# Altium PCB 全兼容主控.PCBDOC (part 5 of 9)
Units mil, origin at the board's own origin, x right, y up, seen from the top; angles counter-clockwise.
Board outline 7562.36 x 15046.55 mil, 2 copper layers (TopLayer, BottomLayer); 375 components, 257 nets, 1094 pads, 839 vias.
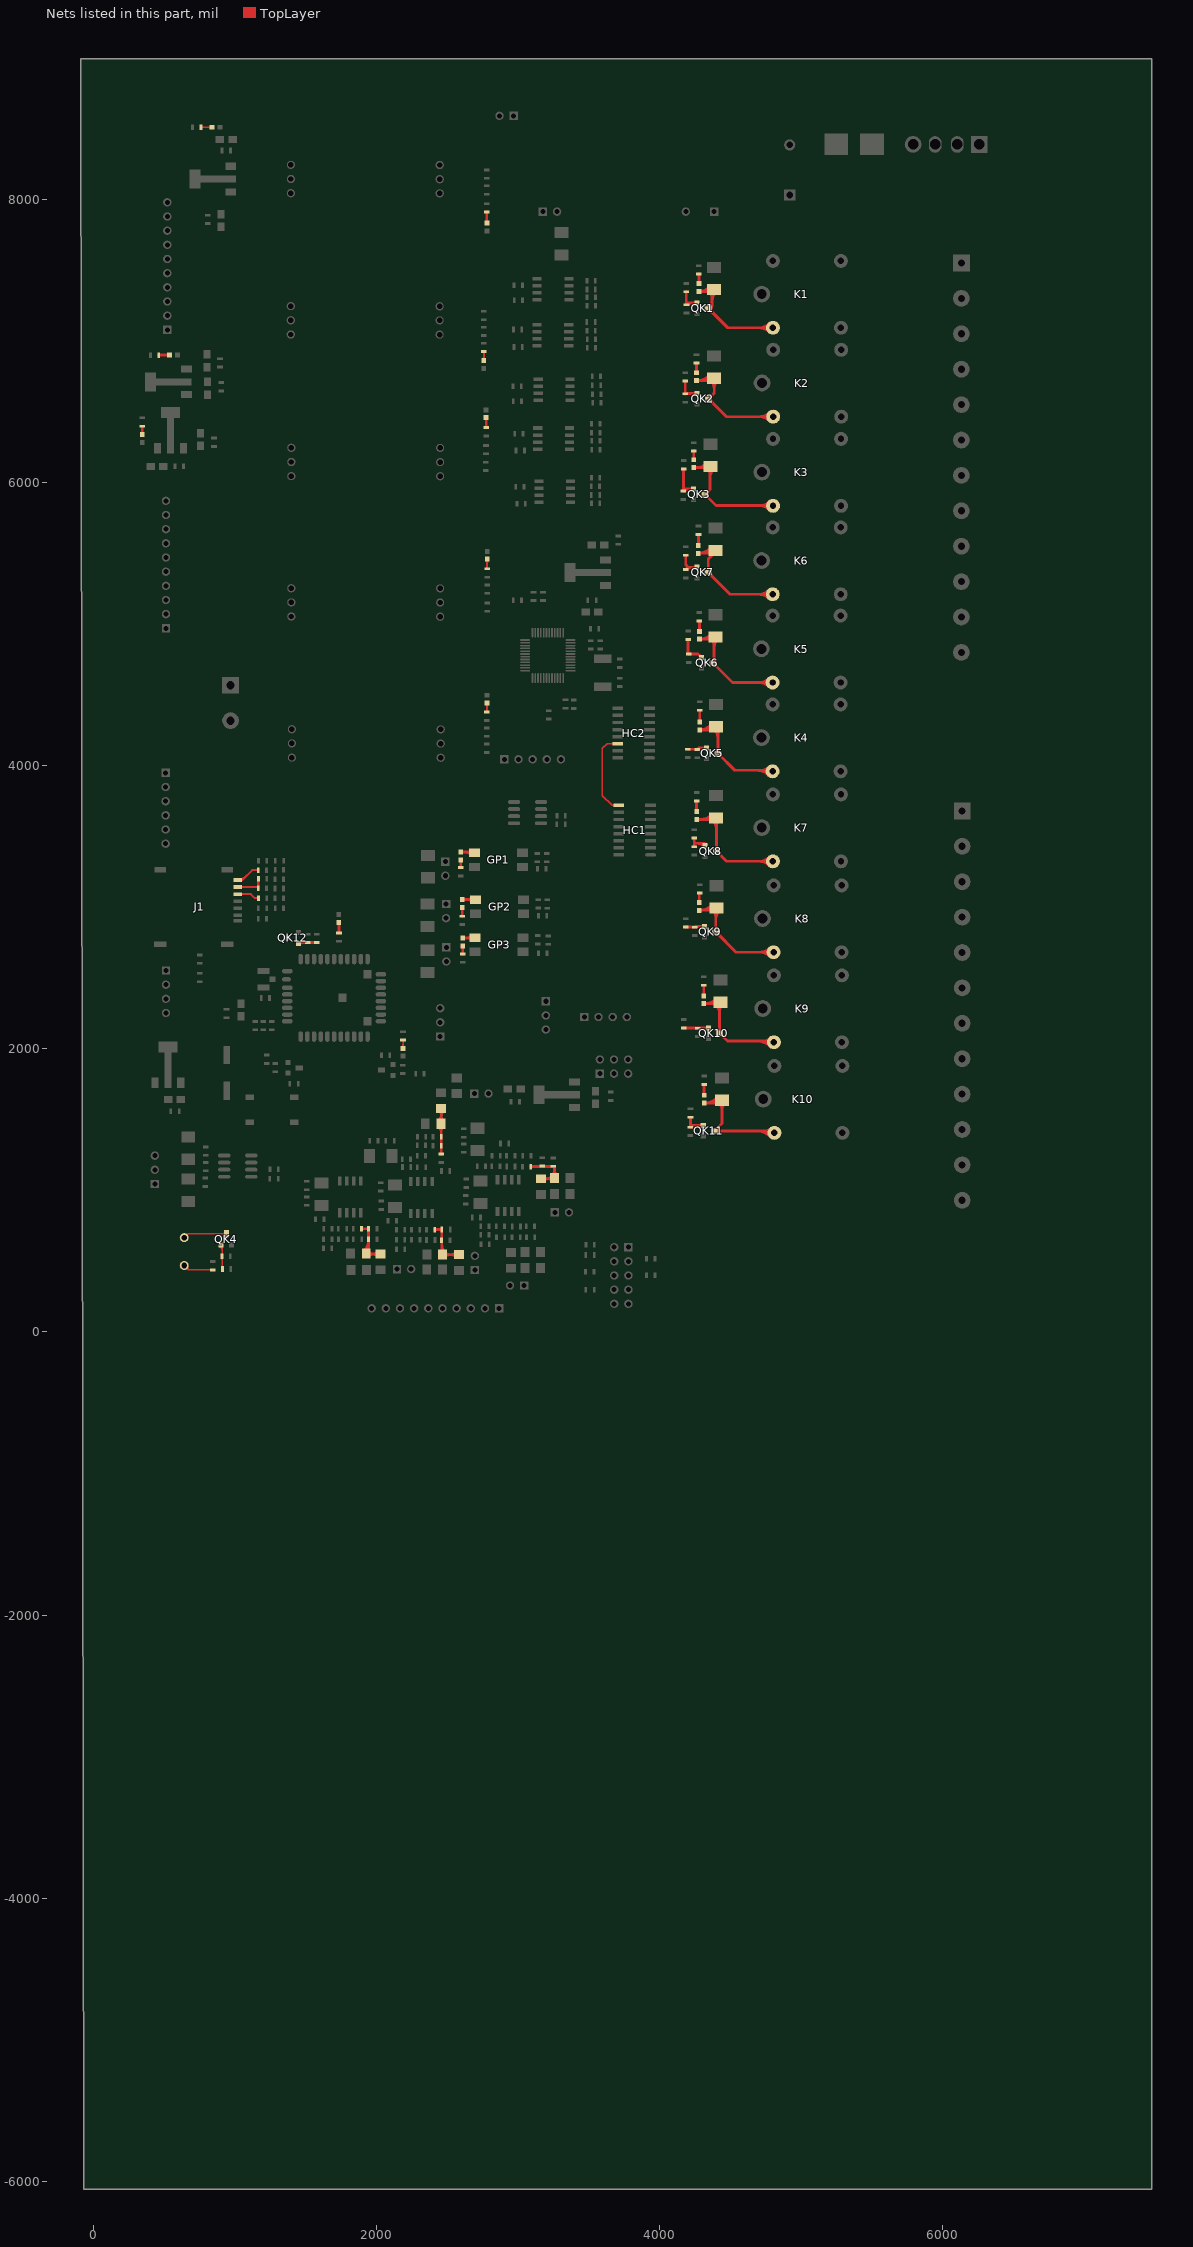
[diagram p5: the nets of this part, all layers, seen from the top]

## Via types
v1: diameter 30, hole 20, TopLayer to BottomLayer, 758 vias
v2: diameter 25, hole 15, TopLayer to BottomLayer, 81 vias

## Nets (pads, with @x,y where several pads share a name; then routed paths per layer and width w, separated by ;. In a path a pad name is that pad's centre, name@x,y a point inside that pad or via, vN(x,y) a via of type N, cw(c..) or ccw(c..) an arc to the next point about the centre after c; other vN are vias at no path point) (continued)
NetCY2_2: CY2.2 LX2.1 RE3.2 RQ2.1 RT2.2 | length 1076.8
  TopLayer w20: RT2.2@3090.79,1167.09 3248.14,1167.09 RQ2.1@3250.04,1169 3257.62,1161.43 CY2.2@3257.62,1087.33 3251.58,1081.29 LX2.1@3161.84,1081.29 ; LX2.1@3180.98,1066.09 cw(c3217.67,1029.4) 3217.67,1081.29 ; LX2.1@3180.98,1066.09 cw(c3217.67,1029.4) 3217.67,1081.29 ; LX2.1@3180.98,1066.09 cw(c3217.67,1029.4) 3217.67,1081.29 ; LX2.1@3180.98,1096.49 ccw(c3217.67,1133.19) 3217.67,1081.29 ; LX2.1@3180.98,1096.49 ccw(c3217.67,1133.19) 3217.67,1081.29 ; LX2.1@3180.98,1096.49 ccw(c3217.67,1133.19) 3217.67,1081.29 ; 3200.65,1081.29 ccw(c3200.65,1140.36) CY2.2@3242.42,1098.59 ; 3200.65,1081.29 ccw(c3200.65,1140.36) CY2.2@3242.42,1098.59 ; 3200.65,1081.29 ccw(c3200.65,1140.36) CY2.2@3242.42,1098.59 ; 3210.79,1081.29 cw(c3210.79,1036.57) CY2.2@3242.42,1068.19 ; 3210.79,1081.29 cw(c3210.79,1036.57) CY2.2@3242.42,1068.19 ; 3210.79,1081.29 cw(c3210.79,1036.57) CY2.2@3242.42,1068.19 ; CY2.2@3242.42,1106.47 ccw(c3205.72,1143.16) 3257.62,1143.16 ; CY2.2@3242.42,1106.47 ccw(c3205.72,1143.16) 3257.62,1143.16 ; CY2.2@3242.42,1106.47 ccw(c3205.72,1143.16) 3257.62,1143.16 ; 3257.62,1143.16 ccw(c3309.51,1143.16) CY2.2@3272.82,1106.47 ; 3257.62,1143.16 ccw(c3309.51,1143.16) CY2.2@3272.82,1106.47 ; 3257.62,1143.16 ccw(c3309.51,1143.16) CY2.2@3272.82,1106.47
NetCY3_2: CY3.2 LX3.1 RE5.2 RQ3.1 RT3.2 | length 1078.7
  TopLayer w20: RT3.2@2412.82,722.33 2413.13,722.65 RQ3.1@2461.94,722.65 2461.94,550.07 CY3.2@2467.18,544.83 2467.33,544.97 LX3.1@2582.9,544.97 ; CY3.2@2451.98,563.96 ccw(c2427.95,588) 2461.94,588 ; CY3.2@2451.98,563.96 ccw(c2427.95,588) 2461.94,588 ; CY3.2@2451.98,563.96 ccw(c2427.95,588) 2461.94,588 ; 2461.94,613.32 ccw(c2531.74,613.32) CY3.2@2482.38,563.96 ; 2461.94,613.32 ccw(c2531.74,613.32) CY3.2@2482.38,563.96 ; 2461.94,613.32 ccw(c2531.74,613.32) CY3.2@2482.38,563.96 ; CY3.2@2482.38,529.63 cw(c2519.43,492.58) 2519.43,544.97 ; CY3.2@2482.38,529.63 cw(c2519.43,492.58) 2519.43,544.97 ; CY3.2@2482.38,529.63 cw(c2519.43,492.58) 2519.43,544.97 ; CY3.2@2482.38,560.03 ccw(c2518.73,596.37) 2518.73,544.97 ; CY3.2@2482.38,560.03 ccw(c2518.73,596.37) 2518.73,544.97 ; CY3.2@2482.38,560.03 ccw(c2518.73,596.37) 2518.73,544.97 ; 2527.07,544.97 cw(c2527.07,493.08) LX3.1@2563.77,529.77 ; 2527.07,544.97 ccw(c2527.07,596.87) LX3.1@2563.77,560.17 ; 2527.07,544.97 cw(c2527.07,493.08) LX3.1@2563.77,529.77 ; 2527.07,544.97 ccw(c2527.07,596.87) LX3.1@2563.77,560.17 ; 2527.07,544.97 cw(c2527.07,493.08) LX3.1@2563.77,529.77 ; 2527.07,544.97 ccw(c2527.07,596.87) LX3.1@2563.77,560.17
NetCY4_2: CY4.2 LX4.1 RE7.2 RQ4.1 RT4.2 | length 1065.4
  TopLayer w20: RT4.2@2458.58,1256.02 2458.58,1580.71 LX4.1@2463.54,1585.67 ; CY4.2@2440.23,1450.66 cw(c2395.92,1406.35) 2458.58,1406.35 ; CY4.2@2440.23,1450.66 cw(c2395.92,1406.35) 2458.58,1406.35 ; CY4.2@2440.23,1450.66 cw(c2395.92,1406.35) 2458.58,1406.35 ; CY4.2@2440.23,1488.93 ccw(c2395.92,1533.23) 2458.58,1533.23 ; CY4.2@2440.23,1488.93 ccw(c2395.92,1533.23) 2458.58,1533.23 ; CY4.2@2440.23,1488.93 ccw(c2395.92,1533.23) 2458.58,1533.23 ; LX4.1@2445,1563.02 cw(c2412.2,1530.23) 2458.58,1530.23 ; LX4.1@2445,1563.02 cw(c2412.2,1530.23) 2458.58,1530.23 ; LX4.1@2445,1563.02 cw(c2412.2,1530.23) 2458.58,1530.23 ; 2458.58,1421.57 cw(c2499.71,1421.57) CY4.2@2470.63,1450.66 ; 2458.58,1421.57 cw(c2499.71,1421.57) CY4.2@2470.63,1450.66 ; 2458.58,1421.57 cw(c2499.71,1421.57) CY4.2@2470.63,1450.66 ; 2458.58,1518.02 ccw(c2499.71,1518.02) CY4.2@2470.63,1488.93 ; 2458.58,1518.02 ccw(c2499.71,1518.02) CY4.2@2470.63,1488.93 ; 2458.58,1518.02 ccw(c2499.71,1518.02) CY4.2@2470.63,1488.93 ; 2458.58,1522.43 cw(c2515.99,1522.43) LX4.1@2475.4,1563.02 ; 2458.58,1522.43 cw(c2515.99,1522.43) LX4.1@2475.4,1563.02 ; 2458.58,1522.43 cw(c2515.99,1522.43) LX4.1@2475.4,1563.02
NetCY5_2: CY5.2 LX5.1 RE9.2 RQ5.1 RT5.2 | length 1211.3
  TopLayer w20: RT5.2@1895.57,728.61 1896.39,727.78 RQ5.1@1944.62,727.78 1944.73,727.67 1944.73,569.42 CY5.2@1928.61,553.31 1933.06,548.86 LX5.1@2028.24,548.86 ; CY5.2@1913.41,572.44 ccw(c1837.81,648.05) RE9.2@1944.73,648.05 ; CY5.2@1913.41,572.44 ccw(c1837.81,648.05) RE9.2@1944.73,648.05 ; CY5.2@1913.41,572.44 ccw(c1837.81,648.05) RE9.2@1944.73,648.05 ; CY5.2@1927.56,558.3 ccw(c1886.09,599.76) 1944.73,599.76 ; CY5.2@1927.56,558.3 ccw(c1886.09,599.76) 1944.73,599.76 ; CY5.2@1927.56,558.3 ccw(c1886.09,599.76) 1944.73,599.76 ; CY5.2@1943.81,534.17 cw(c1979.28,498.7) 1979.28,548.86 ; CY5.2@1943.81,534.17 cw(c1979.28,498.7) 1979.28,548.86 ; CY5.2@1943.81,534.17 cw(c1979.28,498.7) 1979.28,548.86 ; CY5.2@1943.81,564.57 ccw(c1981.74,602.49) 1981.74,548.86 ; CY5.2@1943.81,564.57 ccw(c1981.74,602.49) 1981.74,548.86 ; CY5.2@1943.81,564.57 ccw(c1981.74,602.49) 1981.74,548.86 ; 1972.4,548.86 cw(c1972.4,496.96) LX5.1@2009.1,533.66 ; 1972.4,548.86 ccw(c1972.4,600.75) LX5.1@2009.1,564.06 ; 1972.4,548.86 cw(c1972.4,496.96) LX5.1@2009.1,533.66 ; 1972.4,548.86 ccw(c1972.4,600.75) LX5.1@2009.1,564.06 ; 1972.4,548.86 cw(c1972.4,496.96) LX5.1@2009.1,533.66 ; 1972.4,548.86 ccw(c1972.4,600.75) LX5.1@2009.1,564.06
NetD6_1: D6.1 R6.1 | length 121.2
  TopLayer w20: D6.1@1734.72,2892.16 1735.85,2891.04 R6.1@1735.85,2817.45 ; D6.1@1730.13,2886.56 cw(c1716.32,2872.75) 1735.85,2872.75 ; D6.1@1730.13,2886.56 cw(c1716.32,2872.75) 1735.85,2872.75 ; D6.1@1730.13,2886.56 cw(c1716.32,2872.75) 1735.85,2872.75
NetD7_1: D7.1 RR1.1 | length 244.9
  TopLayer w10: D7.1@2188.12,2002.13 RR1.1@2188.12,2061.15 ; D7.1@2179.99,2011.26 ccw(c2160.36,2030.89) 2188.12,2030.89 ; D7.1@2179.99,2011.26 ccw(c2160.36,2030.89) 2188.12,2030.89 ; D7.1@2179.99,2011.26 ccw(c2160.36,2030.89) 2188.12,2030.89 ; RR1.1@2184.7,2057.72 cw(c2176.43,2049.45) 2188.12,2049.45 ; RR1.1@2184.7,2057.72 cw(c2176.43,2049.45) 2188.12,2049.45 ; RR1.1@2184.7,2057.72 cw(c2176.43,2049.45) 2188.12,2049.45 ; 2188.12,2030.89 ccw(c2215.89,2030.89) D7.1@2196.25,2011.26 ; 2188.12,2030.89 ccw(c2215.89,2030.89) D7.1@2196.25,2011.26 ; 2188.12,2030.89 ccw(c2215.89,2030.89) D7.1@2196.25,2011.26 ; 2188.12,2049.45 cw(c2199.81,2049.45) RR1.1@2191.55,2057.72 ; 2188.12,2049.45 cw(c2199.81,2049.45) RR1.1@2191.55,2057.72 ; 2188.12,2049.45 cw(c2199.81,2049.45) RR1.1@2191.55,2057.72
NetDE1_1: DE1.1 RG1.2 | length 54.3
  TopLayer w20: RG1.2@2596.26,3279.44 DE1.1@2596.26,3333.71
NetDE1_2: DE1.2 GP1.1 | length 337.8
  TopLayer w20: DE1.2@2596.23,3388.74 2694.15,3388.74 GP1.1@2706.69,3376.2 ; 2622.63,3388.74 cw(c2622.63,3323.23) GP1.1@2668.95,3369.55 ; 2622.63,3388.74 cw(c2622.63,3323.23) GP1.1@2668.95,3369.55 ; 2622.63,3388.74 cw(c2622.63,3323.23) GP1.1@2668.95,3369.55 ; 2648.61,3388.74 ccw(c2648.61,3417.51) GP1.1@2668.95,3397.17 ; 2648.61,3388.74 ccw(c2648.61,3417.51) GP1.1@2668.95,3397.17 ; 2648.61,3388.74 ccw(c2648.61,3417.51) GP1.1@2668.95,3397.17
NetDE2_1: DE2.1 RG2.2 | length 62.2
  TopLayer w20: DE2.1@2606.33,2997.63 2606.44,2997.52 RG2.2@2606.44,2935.5
NetDE2_2: DE2.2 GP2.1 | length 319.1
  TopLayer w20: DE2.2@2606.33,3052.63 GP2.1@2703.32,3052.63 ; 2642.97,3052.63 cw(c2642.97,3004.56) GP2.1@2676.95,3038.55 ; 2642.97,3052.63 cw(c2642.97,3004.56) GP2.1@2676.95,3038.55 ; 2642.97,3052.63 cw(c2642.97,3004.56) GP2.1@2676.95,3038.55 ; 2644.27,3052.63 ccw(c2644.27,3098.85) GP2.1@2676.95,3066.17 ; 2644.27,3052.63 ccw(c2644.27,3098.85) GP2.1@2676.95,3066.17 ; 2644.27,3052.63 ccw(c2644.27,3098.85) GP2.1@2676.95,3066.17
NetDE3_1: DE3.1 RG3.2 | length 103.1
  TopLayer w20: DE3.1@2609.02,2726.52 2610.01,2725.52 RG3.2@2610.01,2668.8 ; DE3.1@2604.42,2720.92 cw(c2590.93,2707.43) 2610.01,2707.43 ; DE3.1@2604.42,2720.92 cw(c2590.93,2707.43) 2610.01,2707.43 ; DE3.1@2604.42,2720.92 cw(c2590.93,2707.43) 2610.01,2707.43
NetDE3_2: DE3.2 GP3.1 | length 307
  TopLayer w20: DE3.2@2609.02,2781.52 GP3.1@2693.87,2781.52 ; 2632.81,2781.52 ccw(c2632.81,2838.49) GP3.1@2673.09,2798.2 ; 2632.81,2781.52 ccw(c2632.81,2838.49) GP3.1@2673.09,2798.2 ; 2632.81,2781.52 ccw(c2632.81,2838.49) GP3.1@2673.09,2798.2 ; 2646.71,2781.52 cw(c2646.71,2744.2) GP3.1@2673.09,2770.59 ; 2646.71,2781.52 cw(c2646.71,2744.2) GP3.1@2673.09,2770.59 ; 2646.71,2781.52 cw(c2646.71,2744.2) GP3.1@2673.09,2770.59
NetDJ1_1: DJ1.1 DL3.2 K1.5 QK1.1 | length 2453.6
  TopLayer w20: DJ1.1@4358.87,7352.42 4354.75,7348.3 DL3.2@4278.68,7348.3 ; DJ1.1@4370.74,7359.54 4370.74,7256.46 QK1.1@4343.76,7229.48 4481.73,7091.5 K1.5@4800.54,7091.5 ; DL3.2@4278.68,7348.3 ccw(c4278.68,7451.86) DJ1.1@4353.95,7380.73 ; DL3.2@4278.68,7348.3 ccw(c4278.68,7451.86) DJ1.1@4353.95,7380.73 ; DL3.2@4278.68,7348.3 ccw(c4278.68,7451.86) DJ1.1@4353.95,7380.73 ; 4325.11,7348.3 ccw(c4325.11,7407.98) DJ1.1@4368.48,7366.99 ; 4325.11,7348.3 ccw(c4325.11,7407.98) DJ1.1@4368.48,7366.99 ; 4325.11,7348.3 ccw(c4325.11,7407.98) DJ1.1@4368.48,7366.99 ; 4333.96,7348.3 cw(c4333.96,7319.22) DJ1.1@4354.52,7339.78 ; 4333.96,7348.3 cw(c4333.96,7319.22) DJ1.1@4354.52,7339.78 ; 4333.96,7348.3 cw(c4333.96,7319.22) DJ1.1@4354.52,7339.78 ; QK1.1@4345.1,7235.13 ccw(c4283.21,7297.03) 4370.74,7297.03 ; QK1.1@4345.1,7235.13 ccw(c4283.21,7297.03) 4370.74,7297.03 ; QK1.1@4345.1,7235.13 ccw(c4283.21,7297.03) 4370.74,7297.03 ; DJ1.1@4354.52,7339.78 cw(c4315.38,7300.64) 4370.74,7300.64 ; DJ1.1@4354.52,7339.78 cw(c4315.38,7300.64) 4370.74,7300.64 ; DJ1.1@4354.52,7339.78 cw(c4315.38,7300.64) 4370.74,7300.64 ; QK1.1@4358.76,7229.48 ccw(c4394.97,7229.48) 4369.36,7203.87 ; QK1.1@4358.76,7229.48 cw(c4394.97,7229.48) 4369.36,7255.08 ; QK1.1@4358.76,7229.48 ccw(c4394.97,7229.48) 4369.36,7203.87 ; QK1.1@4358.76,7229.48 cw(c4394.97,7229.48) 4369.36,7255.08 ; QK1.1@4358.76,7229.48 ccw(c4394.97,7229.48) 4369.36,7203.87 ; QK1.1@4358.76,7229.48 cw(c4394.97,7229.48) 4369.36,7255.08 ; QK1.1@4359.24,7220.99 ccw(c4331.49,7248.74) 4370.74,7248.74 ; QK1.1@4359.24,7220.99 ccw(c4331.49,7248.74) 4370.74,7248.74 ; QK1.1@4359.24,7220.99 ccw(c4331.49,7248.74) 4370.74,7248.74 ; 4370.74,7278.65 cw(c4457.19,7278.65) DJ1.1@4396.06,7339.78 ; 4370.74,7278.65 cw(c4457.19,7278.65) DJ1.1@4396.06,7339.78 ; 4370.74,7278.65 cw(c4457.19,7278.65) DJ1.1@4396.06,7339.78 ; 4705.88,7091.5 cw(c4705.88,6996.83) K1.5@4772.82,7063.77 ; 4705.88,7091.5 ccw(c4705.88,7186.17) K1.5@4772.82,7119.23 ; 4705.88,7091.5 cw(c4705.88,6996.83) K1.5@4772.82,7063.77 ; 4705.88,7091.5 ccw(c4705.88,7186.17) K1.5@4772.82,7119.23 ; 4705.88,7091.5 cw(c4705.88,6996.83) K1.5@4772.82,7063.77 ; 4705.88,7091.5 ccw(c4705.88,7186.17) K1.5@4772.82,7119.23
NetDJ2_1: DJ2.1 DL4.2 K2.5 QK2.1 | length 2234.2
  TopLayer w20: DL4.2@4261.37,6718.88 4387.02,6718.88 DJ2.1@4392.98,6724.84 ; DJ2.1@4385.73,6734.91 4385.73,6630.6 QK2.1@4345.35,6590.22 4472.07,6463.5 K2.5@4802.4,6463.5 ; DL4.2@4266.28,6718.88 ccw(c4266.28,6844.52) DJ2.1@4355.12,6755.68 ; DL4.2@4266.28,6718.88 ccw(c4266.28,6844.52) DJ2.1@4355.12,6755.68 ; DL4.2@4266.28,6718.88 ccw(c4266.28,6844.52) DJ2.1@4355.12,6755.68 ; 4314.57,6718.88 ccw(c4314.57,6796.23) DJ2.1@4369.26,6741.54 ; 4314.57,6718.88 ccw(c4314.57,6796.23) DJ2.1@4369.26,6741.54 ; 4314.57,6718.88 ccw(c4314.57,6796.23) DJ2.1@4369.26,6741.54 ; QK2.1@4360.35,6590.22 cw(c4396.57,6590.22) 4370.96,6615.82 ; QK2.1@4360.35,6590.22 ccw(c4396.57,6590.22) 4370.96,6564.61 ; QK2.1@4360.35,6590.22 cw(c4396.57,6590.22) 4370.96,6615.82 ; QK2.1@4360.35,6590.22 ccw(c4396.57,6590.22) 4370.96,6564.61 ; QK2.1@4360.35,6590.22 ccw(c4396.57,6590.22) 4370.96,6564.61 ; QK2.1@4360.35,6590.22 cw(c4396.57,6590.22) 4370.96,6615.82 ; DJ2.1@4364.97,6714.14 cw(c4314.83,6664) 4385.73,6664 ; DJ2.1@4364.97,6714.14 cw(c4314.83,6664) 4385.73,6664 ; DJ2.1@4364.97,6714.14 cw(c4314.83,6664) 4385.73,6664 ; 4385.73,6664 cw(c4456.64,6664) DJ2.1@4406.5,6714.14 ; 4385.73,6664 cw(c4456.64,6664) DJ2.1@4406.5,6714.14 ; 4385.73,6664 cw(c4456.64,6664) DJ2.1@4406.5,6714.14 ; 4707.73,6463.5 cw(c4707.73,6368.83) K2.5@4774.67,6435.77 ; 4707.73,6463.5 ccw(c4707.73,6558.17) K2.5@4774.67,6491.23 ; 4707.73,6463.5 cw(c4707.73,6368.83) K2.5@4774.67,6435.77 ; 4707.73,6463.5 ccw(c4707.73,6558.17) K2.5@4774.67,6491.23 ; 4707.73,6463.5 cw(c4707.73,6368.83) K2.5@4774.67,6435.77 ; 4707.73,6463.5 ccw(c4707.73,6558.17) K2.5@4774.67,6491.23
NetDJ3_1: DJ3.1 DL5.2 K3.5 QK3.1 | length 2383.2
  TopLayer w20: DL5.2@4240.94,6104.44 4331.11,6104.44 4334.01,6101.54 DJ3.1@4356.25,6101.54 ; DJ3.1@4356.25,6121.88 4356.25,5951.34 QK3.1@4319.79,5914.87 4398.54,5836.12 4809.56,5836.12 K3.5@4810.49,5837.05 ; 4263.26,6104.44 ccw(c4263.26,6199.4) DJ3.1@4330.4,6132.25 ; 4263.26,6104.44 ccw(c4263.26,6199.4) DJ3.1@4330.4,6132.25 ; 4263.26,6104.44 ccw(c4263.26,6199.4) DJ3.1@4330.4,6132.25 ; 4297.27,6104.44 cw(c4297.27,6057.59) DJ3.1@4330.4,6090.72 ; 4297.27,6104.44 cw(c4297.27,6057.59) DJ3.1@4330.4,6090.72 ; 4297.27,6104.44 cw(c4297.27,6057.59) DJ3.1@4330.4,6090.72 ; 4311.54,6104.44 ccw(c4311.54,6151.11) DJ3.1@4344.55,6118.11 ; 4311.54,6104.44 ccw(c4311.54,6151.11) DJ3.1@4344.55,6118.11 ; 4311.54,6104.44 ccw(c4311.54,6151.11) DJ3.1@4344.55,6118.11 ; QK3.1@4334.79,5914.87 cw(c4371,5914.87) 4345.39,5940.48 ; QK3.1@4334.79,5914.87 ccw(c4371,5914.87) 4345.39,5889.26 ; QK3.1@4334.79,5914.87 cw(c4371,5914.87) 4345.39,5940.48 ; QK3.1@4334.79,5914.87 ccw(c4371,5914.87) 4345.39,5889.26 ; QK3.1@4334.79,5914.87 cw(c4371,5914.87) 4345.39,5940.48 ; QK3.1@4334.79,5914.87 ccw(c4371,5914.87) 4345.39,5889.26 ; DJ3.1@4340.25,6090.72 cw(c4301.61,6052.07) 4356.25,6052.07 ; DJ3.1@4340.25,6090.72 cw(c4301.61,6052.07) 4356.25,6052.07 ; DJ3.1@4340.25,6090.72 cw(c4301.61,6052.07) 4356.25,6052.07 ; 4356.25,6029.08 cw(c4443.42,6029.08) DJ3.1@4381.78,6090.72 ; 4356.25,6029.08 cw(c4443.42,6029.08) DJ3.1@4381.78,6090.72 ; 4356.25,6029.08 cw(c4443.42,6029.08) DJ3.1@4381.78,6090.72 ; 4701.84,5836.11 cw(c4701.84,5734.4) K3.5@4773.76,5806.32 ; 4701.84,5836.11 cw(c4701.84,5734.4) K3.5@4773.76,5806.32 ; 4701.84,5836.11 cw(c4701.84,5734.4) K3.5@4773.76,5806.32 ; 4711.8,5836.11 ccw(c4711.8,5923.74) K3.5@4773.76,5861.78 ; 4711.8,5836.11 ccw(c4711.8,5923.74) K3.5@4773.76,5861.78 ; 4711.8,5836.11 ccw(c4711.8,5923.74) K3.5@4773.76,5861.78 ; 4750.12,5836.12 cw(c4750.12,5782.69) K3.5@4787.9,5820.47 ; 4750.12,5836.12 cw(c4750.12,5782.69) K3.5@4787.9,5820.47 ; 4750.12,5836.12 cw(c4750.12,5782.69) K3.5@4787.9,5820.47
NetDJ4_1: DJ4.1 DL7.2 K4.5 QK5.1 | length 2364.5
  TopLayer w20: DJ4.1@4398,4273.15 4411.79,4259.36 QK5.1@4411.79,4084.97 4530.55,3966.21 4803.69,3966.21 K4.5@4804.27,3966.79 ; DJ4.1@4411.52,4244.71 4405.01,4251.22 DL7.2@4284.03,4251.22 ; DL7.2@4284.03,4251.22 ccw(c4284.04,4353.17) DJ4.1@4364.87,4291.05 ; DL7.2@4284.03,4251.22 ccw(c4284.04,4353.17) DJ4.1@4364.87,4291.05 ; DL7.2@4284.03,4251.22 ccw(c4284.04,4353.17) DJ4.1@4364.87,4291.05 ; 4324.63,4251.22 ccw(c4324.63,4321.97) DJ4.1@4380.73,4278.86 ; 4324.63,4251.22 ccw(c4324.63,4321.97) DJ4.1@4380.73,4278.86 ; 4324.63,4251.22 ccw(c4324.63,4321.97) DJ4.1@4380.73,4278.86 ; DJ4.1@4387.07,4252.38 cw(c4327.4,4192.71) 4411.79,4192.71 ; DJ4.1@4387.07,4252.38 cw(c4327.4,4192.71) 4411.79,4192.71 ; DJ4.1@4387.07,4252.38 cw(c4327.4,4192.71) 4411.79,4192.71 ; QK5.1@4406.14,4090.63 ccw(c4392.48,4104.28) 4411.79,4104.28 ; QK5.1@4406.14,4090.63 ccw(c4392.48,4104.28) 4411.79,4104.28 ; QK5.1@4406.14,4090.63 ccw(c4392.48,4104.28) 4411.79,4104.28 ; 4411.79,4104.28 ccw(c4431.11,4104.28) QK5.1@4417.45,4090.63 ; 4411.79,4104.28 ccw(c4431.11,4104.28) QK5.1@4417.45,4090.63 ; 4411.79,4104.28 ccw(c4431.11,4104.28) QK5.1@4417.45,4090.63 ; 4411.79,4211.78 cw(c4469.21,4211.78) DJ4.1@4428.61,4252.38 ; 4411.79,4211.78 cw(c4469.21,4211.78) DJ4.1@4428.61,4252.38 ; 4411.79,4211.78 cw(c4469.21,4211.78) DJ4.1@4428.61,4252.38 ; QK5.1@4426.79,4084.97 ccw(c4463.01,4084.97) 4437.4,4059.36 ; QK5.1@4426.79,4084.97 ccw(c4463.01,4084.97) 4437.4,4059.36 ; QK5.1@4426.79,4084.97 ccw(c4463.01,4084.97) 4437.4,4059.36 ; 4686.34,3966.21 cw(c4686.34,3846.78) K4.5@4770.79,3931.23 ; 4686.34,3966.21 cw(c4686.34,3846.78) K4.5@4770.79,3931.23 ; 4686.34,3966.21 cw(c4686.34,3846.78) K4.5@4770.79,3931.23 ; 4721.36,3966.21 ccw(c4721.36,4036.11) K4.5@4770.79,3986.68 ; 4721.36,3966.21 ccw(c4721.36,4036.11) K4.5@4770.79,3986.68 ; 4721.36,3966.21 ccw(c4721.36,4036.11) K4.5@4770.79,3986.68 ; 4734.62,3966.21 cw(c4734.62,3895.06) K4.5@4784.93,3945.37 ; 4734.62,3966.21 cw(c4734.62,3895.06) K4.5@4784.93,3945.37 ; 4734.62,3966.21 cw(c4734.62,3895.06) K4.5@4784.93,3945.37
NetDJ5_1: DJ5.1 DL8.2 K5.5 QK6.1 | length 2220.6
  TopLayer w20: DL8.2@4281.39,4891.96 DJ5.1@4416.24,4891.96 ; DJ5.1@4384.89,4917.63 4384.89,4731.69 QK6.1@4377.38,4724.17 4515.57,4585.97 K5.5@4798.13,4585.97 ; DL8.2@4281.39,4891.96 ccw(c4281.4,5008.31) DJ5.1@4365.42,4927.82 ; DL8.2@4281.39,4891.96 ccw(c4281.4,5008.31) DJ5.1@4365.42,4927.82 ; DL8.2@4281.39,4891.96 ccw(c4281.4,5008.31) DJ5.1@4365.42,4927.82 ; 4328.25,4891.96 ccw(c4328.25,4963.42) DJ5.1@4379.86,4913.99 ; 4328.25,4891.96 ccw(c4328.25,4963.42) DJ5.1@4379.86,4913.99 ; 4328.25,4891.96 ccw(c4328.25,4963.42) DJ5.1@4379.86,4913.99 ; DJ5.1@4365.86,4886.74 cw(c4319.9,4840.78) 4384.89,4840.78 ; DJ5.1@4365.86,4886.74 cw(c4319.9,4840.78) 4384.89,4840.78 ; DJ5.1@4365.86,4886.74 cw(c4319.9,4840.78) 4384.89,4840.78 ; QK6.1@4378.72,4729.83 ccw(c4363.81,4744.73) 4384.89,4744.73 ; QK6.1@4378.72,4729.83 ccw(c4363.81,4744.73) 4384.89,4744.73 ; QK6.1@4378.72,4729.83 ccw(c4363.81,4744.73) 4384.89,4744.73 ; 4384.89,4742.23 ccw(c4402.44,4742.23) QK6.1@4390.03,4729.83 ; 4384.89,4742.23 ccw(c4402.44,4742.23) QK6.1@4390.03,4729.83 ; 4384.89,4742.23 ccw(c4402.44,4742.23) QK6.1@4390.03,4729.83 ; 4384.89,4832.42 cw(c4461.71,4832.42) DJ5.1@4407.39,4886.74 ; 4384.89,4832.42 cw(c4461.71,4832.42) DJ5.1@4407.39,4886.74 ; 4384.89,4832.42 cw(c4461.71,4832.42) DJ5.1@4407.39,4886.74 ; QK6.1@4392.38,4724.17 ccw(c4428.59,4724.17) 4402.98,4698.56 ; QK6.1@4392.38,4724.17 ccw(c4428.59,4724.17) 4402.98,4698.56 ; QK6.1@4392.38,4724.17 ccw(c4428.59,4724.17) 4402.98,4698.56 ; 4703.46,4585.97 cw(c4703.46,4491.3) K5.5@4770.41,4558.25 ; 4703.46,4585.97 ccw(c4703.46,4680.64) K5.5@4770.41,4613.7 ; 4703.46,4585.97 cw(c4703.46,4491.3) K5.5@4770.41,4558.25 ; 4703.46,4585.97 ccw(c4703.46,4680.64) K5.5@4770.41,4613.7 ; 4703.46,4585.97 cw(c4703.46,4491.3) K5.5@4770.41,4558.25 ; 4703.46,4585.97 ccw(c4703.46,4680.64) K5.5@4770.41,4613.7
NetDJ6_1: DJ6.1 DL9.2 K6.5 QK7.1 | length 2091.8
  TopLayer w20: DJ6.1@4383.33,5498.67 DL9.2@4274.32,5498.67 ; DJ6.1@4389.39,5504.73 4344,5459.34 QK7.1@4344,5362.66 4497.27,5209.39 K6.5@4799.13,5209.39 ; DL9.2@4274.32,5498.67 ccw(c4274.32,5616.55) DJ6.1@4362.93,5538.81 ; DL9.2@4274.32,5498.67 ccw(c4274.32,5616.55) DJ6.1@4362.93,5538.81 ; DL9.2@4274.32,5498.67 ccw(c4274.32,5616.55) DJ6.1@4362.93,5538.81 ; 4318.48,5498.67 ccw(c4318.48,5577.82) DJ6.1@4377.97,5525.62 ; 4318.48,5498.67 ccw(c4318.48,5577.82) DJ6.1@4377.97,5525.62 ; 4318.48,5498.67 ccw(c4318.48,5577.82) DJ6.1@4377.97,5525.62 ; QK7.1@4338.34,5368.32 ccw(c4324.69,5381.97) 4344,5381.97 ; QK7.1@4338.34,5368.32 ccw(c4324.69,5381.97) 4344,5381.97 ; QK7.1@4338.34,5368.32 ccw(c4324.69,5381.97) 4344,5381.97 ; 4344,5381.97 ccw(c4363.31,5381.97) QK7.1@4349.66,5368.32 ; 4344,5381.97 ccw(c4363.31,5381.97) QK7.1@4349.66,5368.32 ; 4344,5381.97 ccw(c4363.31,5381.97) QK7.1@4349.66,5368.32 ; 4353.55,5468.89 ccw(c4331.41,5491.02) DJ6.1@4359.06,5505.68 ; 4353.55,5468.89 ccw(c4331.41,5491.02) DJ6.1@4359.06,5505.68 ; 4353.55,5468.89 ccw(c4331.41,5491.02) DJ6.1@4359.06,5505.68 ; QK7.1@4359,5362.66 ccw(c4395.21,5362.66) 4369.61,5337.05 ; QK7.1@4359,5362.66 ccw(c4395.21,5362.66) 4369.61,5337.05 ; QK7.1@4359,5362.66 ccw(c4395.21,5362.66) 4369.61,5337.05 ; DJ6.1@4367.46,5482.8 cw(c4385.01,5465.24) DJ6.1@4385.01,5490.07 ; DJ6.1@4367.46,5482.8 cw(c4385.01,5465.24) DJ6.1@4385.01,5490.07 ; DJ6.1@4367.46,5482.8 cw(c4385.01,5465.24) DJ6.1@4385.01,5490.07 ; 4704.46,5209.39 cw(c4704.46,5114.72) K6.5@4771.4,5181.66 ; 4704.46,5209.39 ccw(c4704.46,5304.06) K6.5@4771.4,5237.12 ; 4704.46,5209.39 cw(c4704.46,5114.72) K6.5@4771.4,5181.66 ; 4704.46,5209.39 ccw(c4704.46,5304.06) K6.5@4771.4,5237.12 ; 4704.46,5209.39 cw(c4704.46,5114.72) K6.5@4771.4,5181.66 ; 4704.46,5209.39 ccw(c4704.46,5304.06) K6.5@4771.4,5237.12